# Altium PCB PASTE.PcbDoc (part 6 of 7)
Units mil, origin at the board's own origin, x right, y up, seen from the top; angles counter-clockwise.
Board outline 16220 x 11870 mil, 2 copper layers (Top Layer, Bottom Layer); 340 components, 0 nets, 1500 pads, 1280 vias.
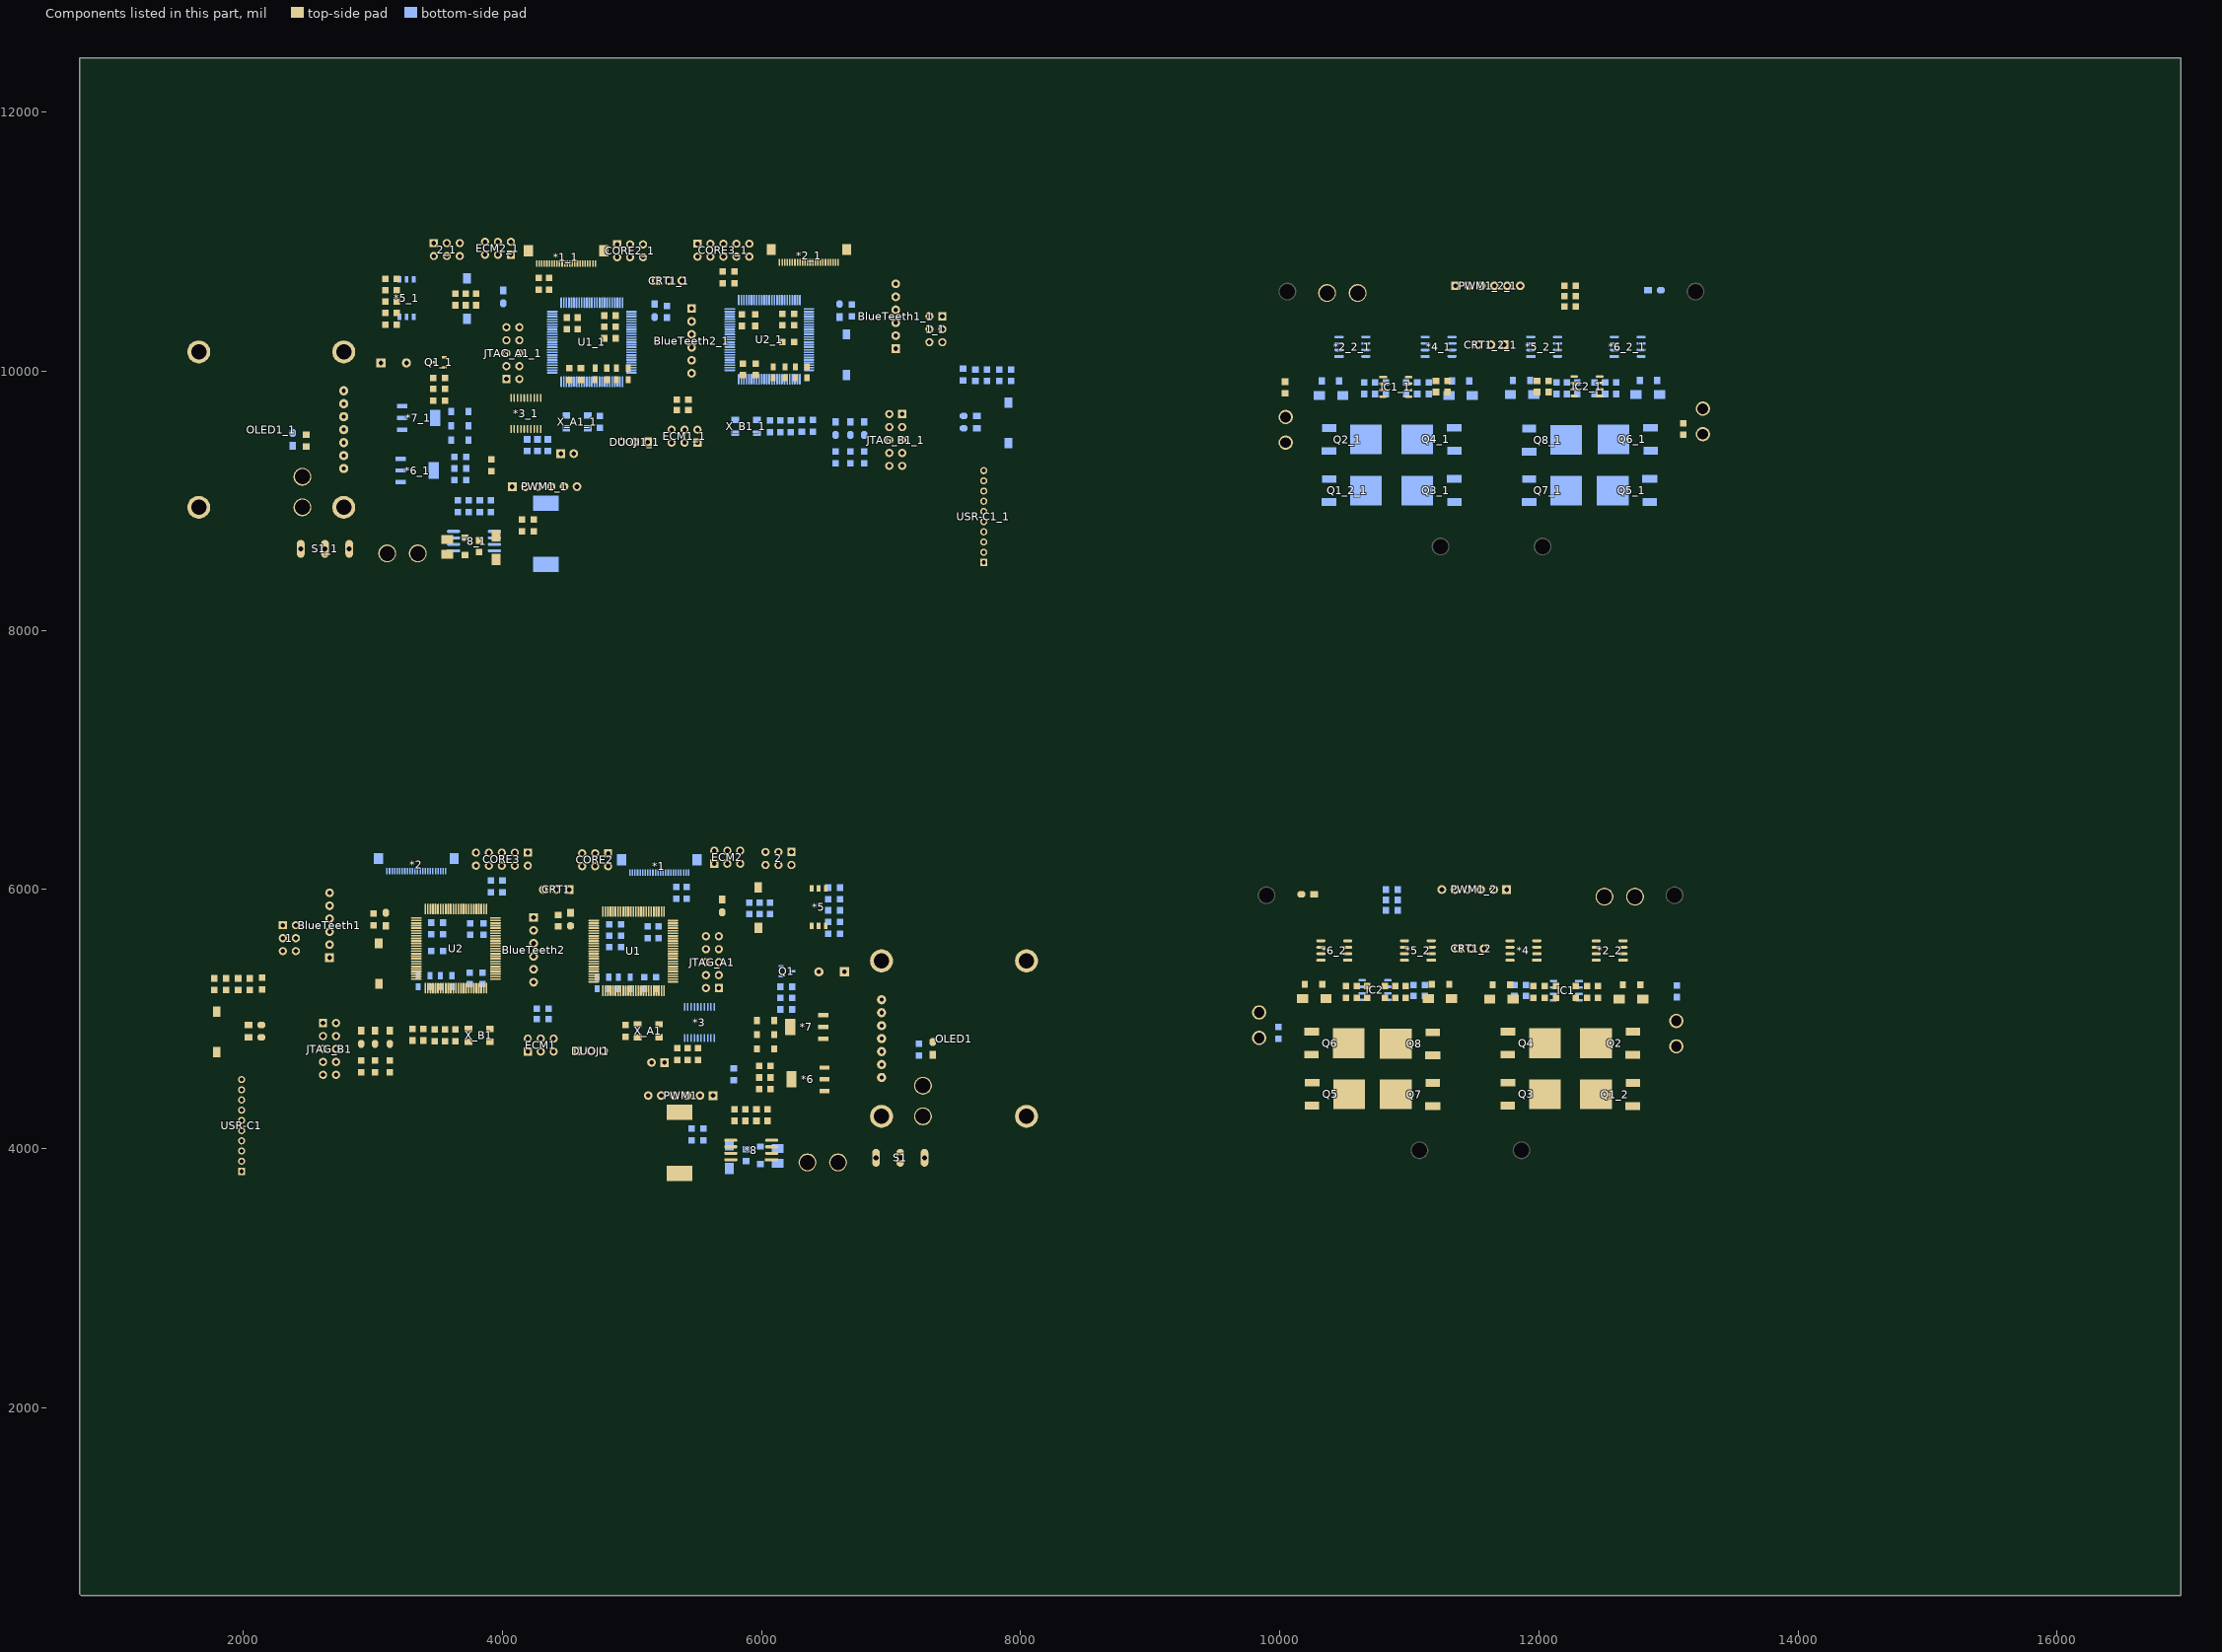
[diagram p6: the components of this part, seen from the top]

## Via types
v1: diameter 20, hole 15, Top Layer to Bottom Layer, tented both sides, 836 vias
v2: diameter 20, hole 10, Top Layer to Bottom Layer, tented both sides, 412 vias
v3: diameter 30, hole 20, Top Layer to Bottom Layer, tented both sides, 22 vias
v4: diameter 177.17, hole 157.48, Top Layer to Bottom Layer, tented both sides, 6 vias
v5: diameter 40, hole 30, Top Layer to Bottom Layer, tented both sides, 4 vias

## Nets (pads, with @x,y where several pads share a name; then routed paths per layer and width w, separated by ;. In a path a pad name is that pad's centre, name@x,y a point inside that pad or via, vN(x,y) a via of type N, cw(c..) or ccw(c..) an arc to the next point about the centre after c; other vN are vias at no path point) (continued)
copper on no net: (continued)
  Bottom Layer w10: 4973.34,10868.34 cw(c4945.18,10840.18) 4985,10840.18 cw(c5024.82,10840.18) 4996.66,10868.34 ; 4985,5235 5026.06,5276.06 5061.06,5276.06 v2(5065,5280) 5065,5295 ; 4985,5247.5 ccw(c4985,5277.68) 5006.34,5256.34 ; 4985,5257.5 ccw(c4985,5311.82) 5023.41,5273.41 ; 4985,5325 5015,5295 v2(5045,5295) 5045,5350 v2(5005,5390) ; 4985,10880 4985,10665.75 4890.49,10571.24 ; 4985,10980 4985,10937.18 ; v2(4990,5895) 4990,6020 5022.99,6052.99 5022.99,6131.69 ; 4994.99,10028.15 5048.15,10028.15 v2(5050,10030) ; 4994.99,10047.83 4991.13,10051.69 4953.99,10051.69 ; 4994.99,10225 5095,10225 v3(5360,9960) ; 4994.99,10362.8 4996.72,10361.06 5068.94,10361.06 v2(5069.11,10360.89) ; 4994.99,10382.48 5047.52,10382.48 v2(5050,10380) ; 4994.99,10441.54 5056.54,10441.54 5085,10470 5085,10500 5285,10700 ; 4994.99,10461.22 5185,10651.23 ; 4996.82,10956.29 ccw(c5006.35,10937.18) 4985,10937.18 ; 5000,5242.5 cw(c5018.11,5242.5) 5005.3,5255.3 ; 5001.33,10461.22 cw(c5016.63,10461.22) 5005.81,10472.04 ; v2@5006.46,5918.54 ccw(c4997.93,5927.07) 5010,5927.07 ccw(c5022.07,5927.07) v2@5013.54,5918.54 ; 5009.39,5134.39 ccw(c4983.79,5160) v2@5020,5160 ; v2(5010,5915) 5010,6015 5042.68,6047.68 5042.68,6131.69 ; 5011.33,10461.22 cw(c5050.78,10461.22) 5022.88,10489.11 ; 5021.33,10461.22 cw(c5084.92,10461.22) 5039.95,10506.18 ; 5023.43,5645 cw(c5023.43,5528.43) 5105.86,5610.86 ; v2@5026.46,5898.54 ccw(c5017.93,5907.07) 5030,5907.07 ccw(c5042.07,5907.07) v2@5033.54,5898.54 ; v2(5030,5895) 5030,6005 5101.73,6076.73 5101.73,6131.69 ; 5030.78,10364.13 ccw(c5038.19,10371.54) 5038.19,10361.06 ; 5031.33,10461.22 cw(c5119.06,10461.22) 5057.03,10523.25 ; 5031.94,10382.48 cw(c5031.94,10361.94) v2@5046.46,10376.46 ; 5033.46,10028.15 ccw(c5033.46,10046.54) v2@5046.46,10033.54 ; v2@5041.46,5291.46 ccw(c5032.93,5282.93) 5032.93,5295 ccw(c5032.93,5307.07) 5041.46,5298.54 ccw(c5032.93,5307.07) 5045,5307.07 ccw(c5057.07,5307.07) v2@5048.54,5298.54 ; v2@5046.46,5918.54 ccw(c5037.93,5927.07) 5050,5927.07 ccw(c5062.07,5927.07) v2@5053.54,5918.54 ; 5047.57,5645 cw(c5047.57,5552.57) 5112.93,5617.93 ; v2(5050,5160) 5095,5205 5095,5235 5185,5235 5185,5260 v2(5200,5275) ; v2(5050,5915) 5050,5995 5121.42,6066.42 5121.42,6131.69 ; v2@5056.46,6186.46 cw(c5047.93,6177.93) 5060,6177.93 cw(c5072.07,6177.93) v2@5063.54,6186.46 ; 5056.62,10361.06 cw(c5056.62,10348.4) v2@5065.57,10357.35 ; 5057.46,10361.06 ccw(c5057.46,10372.54) v2@5065.57,10364.43 ; 5060,6159.27 ccw(c5070.25,6159.27) 5063,6152.02 ; v2(5060,6190) 5060,6134.06 5062.36,6131.69 ; v2@5060.08,9980.91 ccw(c5029.64,9986.57) 5051.54,10008.46 ; v2@5061.46,5283.54 ccw(c5052.93,5292.07) 5065,5292.07 ccw(c5077.07,5292.07) v2@5068.54,5283.54 ; v2@5061.46,9983.54 ccw(c5052.93,9992.07) 5065,9992.07 ccw(c5077.07,9992.07) v2@5068.54,9983.54 ; 5064.97,9995.03 cw(c5052.3,9982.36) v2@5069.92,9979.09 ; v2(5065,9980) 5065,9995 5051.54,10008.46 ; 5066.26,10861.26 cw(c5021.03,10816.03) 5085,10816.03 cw(c5148.97,10816.03) 5103.74,10861.26 ; v2@5066.46,5898.54 ccw(c5057.93,5907.07) 5070,5907.07 ccw(c5082.07,5907.07) v2@5073.54,5898.54 ; v2(5070,5895) 5070,5985 5141.1,6056.1 5141.1,6131.69 ; v2@5071.46,6088.54 ccw(c5045.92,6114.08) 5082.05,6114.08 ; 5071.72,5645 cw(c5071.72,5576.72) 5120,5625 ; 5073.18,10956.29 cw(c5063.65,10937.18) 5085,10937.18 ; 5073.34,10868.34 cw(c5045.18,10840.18) 5085,10840.18 cw(c5124.82,10840.18) 5096.66,10868.34 ; v2(5075,6085) 5082.05,6092.05 5082.05,6131.69 ; 5075.09,5323.09 cw(c5040.26,5319.75) 5065,5295 ; 5077.93,5142.93 ccw(c5060.86,5160) v2@5085,5160 ; v2@5081.46,4968.54 ccw(c5072.93,4977.07) 5085,4977.07 ccw(c5097.07,4977.07) v2@5088.54,4968.54 ; v2(5085,4965) 5085,5073.22 5076.06,5082.16 5076.06,5119.28 5185,5228.22 ; 5085,10980 5085,10937.18 ; v2@5086.46,5918.54 ccw(c5077.93,5927.07) 5090,5927.07 ccw(c5102.07,5927.07) v2@5093.54,5918.54 ; v2(5090,5915) 5090,5975 5160.79,6045.79 5160.79,6131.69 ; 5093.09,5305.09 ccw(c5089.75,5270.26) 5065,5295 ; 5093.68,5203.68 ccw(c5065.84,5231.52) 5104.93,5236.19 ; v2(5095,5090) v2(5355,5090) ; 5095.86,5645 cw(c5095.86,5600.86) 5127.07,5632.07 ; 5096.82,10956.29 ccw(c5106.35,10937.18) 5085,10937.18 ; v2@5098.54,5086.46 cw(c5107.07,5077.93) 5107.07,5090 cw(c5107.07,5102.07) v2@5098.54,5093.54 ; v2@5106.46,5898.54 ccw(c5097.93,5907.07) 5110,5907.07 ccw(c5122.07,5907.07) v2@5113.54,5898.54 ; 5109.14,5310.86 cw(c5143.28,5276.72) 5143.28,5325 cw(c5143.28,5373.28) 5109.14,5339.14 ; v2(5110,5895) 5110,5965 5180.47,6035.47 5180.47,6131.69 ; 5112.31,5643.46 ccw(c5107.5,5655) 5120,5655 ; v2(5115,5070) v2(5335,5070) ; v2(5115,5110) 5115,5105 5120,5110 v2(5335,5110) ; v2@5118.54,5066.46 cw(c5127.07,5057.93) 5127.07,5070 cw(c5127.07,5082.07) v2@5118.54,5073.54 ; v2@5118.54,5106.46 cw(c5127.07,5097.93) 5127.07,5110 cw(c5127.07,5122.07) v2@5118.54,5113.54 ; 5123.01,5658.01 ccw(c5141.33,5639.7) 5120,5625 ; v2@5126.46,5918.54 ccw(c5117.93,5927.07) 5130,5927.07 ccw(c5142.07,5927.07) v2@5133.54,5918.54 ; 5127.52,5659.6 cw(c5147.17,5648.26) 5141.29,5670.17 ccw(c5144.42,5658.51) 5133.96,5664.55 ccw(c5123.51,5670.58) v2@5135.17,5673.71 ; 5127.69,5643.46 cw(c5132.5,5655) 5120,5655 ; 5128.23,5630.67 cw(c5151.39,5646.63) 5131.51,5666.51 ; v2(5130,5915) 5130,5955 5200.16,6025.16 5200.16,6131.69 ; 5134.14,5610.86 cw(c5168.28,5576.72) 5168.28,5625 cw(c5168.28,5673.28) 5134.14,5639.14 ; v2@5135,5675 cw(c5122.93,5675) 5131.46,5666.46 cw(c5140,5657.93) v2@5140,5670 ; 5136.47,5636.35 cw(c5161.44,5653.55) v2(5140,5675) 5120,5655 ; v2@5146.46,5898.54 ccw(c5137.93,5907.07) 5150,5907.07 ccw(c5162.07,5907.07) v2@5153.54,5898.54 ; v2(5150,5895) 5150,5945 5219.84,6014.84 5219.84,6131.69 ; 5163.13,5206.35 ccw(c5134.49,5235) 5175,5235 ; v2@5166.46,5918.54 ccw(c5157.93,5927.07) 5170,5927.07 ccw(c5182.07,5927.07) v2@5173.54,5918.54 ; v2(5170,5915) 5170,5940 5239.53,6009.53 5239.53,6131.69 ; 5170.86,5310.86 ccw(c5136.72,5276.72) 5136.72,5325 ccw(c5136.72,5373.28) 5170.86,5339.14 ; 5171,10675.22 cw(c5157.45,10651.23) 5185,10651.23 ; 5175,10420 5265,10420 5270,10415 ; 5185,5305 cw(c5185,5256.72) 5219.14,5290.86 cw(c5253.28,5325) 5205,5325 ; 5185,10700 5185,10651.23 ; 5189.14,10405.86 cw(c5223.28,10371.72) 5223.28,10420 cw(c5223.28,10468.28) 5189.14,10434.14 ; 5190.86,5639.14 cw(c5156.72,5673.28) 5156.72,5625 cw(c5156.72,5576.72) 5190.86,5610.86 cw(c5156.72,5576.72) 5205,5576.72 cw(c5253.28,5576.72) 5219.14,5610.86 ; 5199,10675.22 ccw(c5212.55,10651.23) 5185,10651.23 ; 5205,5507.07 ccw(c5227.07,5507.07) v2@5211.46,5491.46 ; 5205,5531.21 ccw(c5251.21,5531.21) v2@5218.54,5498.54 ; 5205,5687.64 5238.94,5653.7 5238.94,5516.06 v2(5240,5515) ; 5209.64,10420 cw(c5209.64,10354.64) 5255.86,10400.86 ; 5214.73,5677.91 cw(c5241.61,5704.78) 5205,5715 5120,5715 ; v2@5215,5490 cw(c5215,5477.93) 5223.54,5486.46 cw(c5232.07,5495) v2@5220,5495 ; 5225,4410 5455.87,4640.87 5455.87,4855 ; 5225,4428.46 ccw(c5225,4473.04) 5256.52,4441.52 ccw(c5288.04,4410) 5243.46,4410 ; 5225,4438.46 ccw(c5225,4507.18) 5273.59,4458.59 ccw(c5322.18,4410) 5253.46,4410 ; v2@5225,5280 ccw(c5212.93,5280) 5221.46,5288.54 ccw(c5230,5297.07) v2@5230,5285 ; v2@5226.46,5276.46 cw(c5217.93,5267.93) 5230,5267.93 cw(c5242.07,5267.93) v2@5233.54,5276.46 ; v2@5226.46,5283.54 ccw(c5217.93,5292.07) 5230,5292.07 ccw(c5242.07,5292.07) v2@5233.54,5283.54 ; 5238.94,5529.64 ccw(c5254.64,5529.64) v2@5243.54,5518.54 ; 5248.94,5310.36 cw(c5264.64,5310.36) v2@5253.54,5321.46 ; v2@5250,5885 cw(c5250,5872.93) 5258.54,5881.46 cw(c5267.07,5890) v2@5255,5890 ; v2(5250,5890) 5273.94,5866.06 5273.94,5678.36 5272.13,5676.55 5272.13,5302.87 5430.28,5144.72 5430.28,5095.16 ; 5254.56,10492.29 ccw(c5227.64,10470.14) 5227.64,10505 ; 5254.56,10517.71 cw(c5227.64,10539.86) 5227.64,10505 ; v2(5255,5765) 5170,5765 5120,5715 ; v2(5255,5980) 5300,5980 5340,6020 5340,6129.65 5337.95,6131.69 ; 5255.86,10429.14 cw(c5233.79,10451.21) 5233.79,10420 cw(c5233.79,10378.79) 5262.93,10407.93 ; 5255.86,10519.14 ccw(c5221.72,10553.28) 5270,10553.28 ccw(c5318.28,10553.28) 5284.14,10519.14 ; 5256.54,10700 cw(c5187.82,10700) 5236.41,10651.41 cw(c5285,10602.82) 5285,10671.54 ; v2@5258.54,5976.46 cw(c5267.07,5967.93) 5267.07,5980 cw(c5267.07,5992.07) v2@5258.54,5983.54 ; v2@5265,5150 ccw(c5252.93,5150) 5261.46,5158.54 ccw(c5270,5167.07) v2@5270,5155 ; 5266.54,10700 cw(c5221.96,10700) 5253.48,10668.48 cw(c5285,10636.96) 5285,10681.54 ; v2(5270,5150) 5230,5190 v2(5230,5280) ; 5270,10485 cw(c5270,10436.72) 5304.14,10470.86 cw(c5338.28,10505) 5290,10505 ; v2(5275,5960) 5280,5965 5365,5965 5420,6020 5420,6064.57 ; v2@5278.54,5956.46 cw(c5299.14,5935.86) 5299.14,5965 ; 5320,6020 cw(c5271.72,6020) 5305.86,5985.86 cw(c5340,5951.72) 5340,6000 ; 5325,4410 5507.05,4592.05 5507.05,4855 ; 5325,4428.46 ccw(c5325,4473.04) 5356.52,4441.52 ccw(c5388.04,4410) 5343.46,4410 ; 5325,4438.46 ccw(c5325,4507.18) 5373.59,4458.59 ccw(c5422.18,4410) 5353.46,4410 ; v2@5325,5180 cw(c5325,5167.93) 5333.54,5176.46 cw(c5342.07,5185) v2@5330,5185 ; v2(5325,5185) 5404.69,5105.31 5404.69,5095.16 5415.34,5084.5 5415.34,5064.97 5424.09,5056.22 5436.46,5056.22 5445.21,5064.97 5445.21,5084.5 5455.87,5095.16 5466.52,5084.5 5466.52,5064.97 5475.27,5056.22 5487.64,5056.22 5496.39,5064.97 5496.39,5084.5 5507.05,5095.16 5517.7,5084.5 5517.7,5064.97 5526.45,5056.22 5538.83,5056.22 5547.57,5064.97 5547.57,5084.5 5558.23,5095.16 5568.88,5084.5 5568.88,5064.97 5577.63,5056.22 5590.01,5056.22 5598.76,5064.97 5598.76,5084.5 5609.41,5095.16 5620.06,5084.5 5620.06,5064.97 5635,5050.03 5635,4955 ; 5325.86,6034.14 ccw(c5291.72,6068.28) 5340,6068.28 ccw(c5388.28,6068.28) 5354.14,6034.14 ; v2@5331.46,5066.46 ccw(c5322.93,5057.93) 5322.93,5070 ccw(c5322.93,5082.07) v2@5331.46,5073.54 ; v2@5331.46,5106.46 ccw(c5322.93,5097.93) 5322.93,5110 ccw(c5322.93,5122.07) v2@5331.46,5113.54 ; 5337.31,6111.37 cw(c5330.82,6104.88) 5340,6104.88 ; 5340,5910 cw(c5340,5861.72) 5374.14,5895.86 cw(c5408.28,5930) 5360,5930 ; v2(5345,4830) 5405.28,4830 ; v2@5348.54,4826.46 cw(c5357.07,4817.93) 5357.07,4830 cw(c5357.07,4842.07) v2@5348.54,4833.54 ; v2@5351.46,5086.46 ccw(c5342.93,5077.93) 5342.93,5090 ccw(c5342.93,5102.07) v2@5351.46,5093.54 ; 5354.14,5915.86 cw(c5388.28,5881.72) 5388.28,5930 cw(c5388.28,5978.28) 5354.14,5944.14 ; 5356.54,10700 cw(c5287.82,10700) 5336.41,10651.41 cw(c5385,10602.82) 5385,10671.54 ; 5366.54,10700 cw(c5321.96,10700) 5353.48,10668.48 cw(c5385,10636.96) 5385,10681.54 ; v2@5371.46,5446.46 cw(c5348.29,5423.29) 5381.06,5423.29 ; v2@5371.46,5536.46 ccw(c5362.93,5527.93) 5362.93,5540 ccw(c5362.93,5552.07) v2@5371.46,5543.54 ; v2@5371.46,5676.46 ccw(c5362.93,5667.93) 5362.93,5680 ccw(c5362.93,5692.07) v2@5371.46,5683.54 ; v2@5371.46,5716.46 ccw(c5362.93,5707.93) 5362.93,5720 ccw(c5362.93,5732.07) v2@5371.46,5723.54 ; v2(5375,5450) 5381.06,5443.94 5381.06,5314.52 5407.65,5287.94 5407.65,5287.65 5540.29,5155 5925,5155 6330,4750 6925.55,4750 ; v2@5375,5495 cw(c5375,5482.93) 5383.54,5491.46 cw(c5392.07,5500) v2@5380,5500 ; v2(5375,5500) 5395,5480 5395,5320.29 5540.29,5175 5940,5175 6265,4850 6925.55,4850 ; v2(5375,5540) 5350,5540 5335,5555 5335,5598.94 5361.06,5625 5497.82,5625 5553.25,5680.43 5824.57,5680.43 5906.06,5598.94 6606.06,5598.94 6715,5490 6715,5260.55 6925.55,5050 ; v2(5375,5580) 5394.57,5599.57 5870.43,5599.57 6119.61,5350.39 6173.39,5350.39 6235,5288.78 ; v2@5375,5585 ccw(c5375,5597.07) 5383.54,5588.54 ccw(c5392.07,5580) v2@5380,5580 ; v2(5375,5645) 5410,5645 5603.94,5838.94 5843.94,5838.94 5905,5900 ; v2(5375,5680) 5335,5680 5315,5660 5315,5340 5506.97,5148.03 5519.01,5148.03 5527.04,5140 5558.51,5140 5583.82,5114.69 5583.82,5095.16 ; v2(5375,5720) 5335.29,5720 5286.06,5670.77 5286.06,5318.94 5481.46,5123.54 5481.46,5095.16 ; 5376.82,6111.26 cw(c5370.13,6101.25) 5382.17,6101.25 ; 5377.32,6131.69 5382.17,6126.85 5382.17,6102.4 ; v2@5378.54,5641.46 cw(c5387.07,5632.93) 5387.07,5645 cw(c5387.07,5657.07) v2@5378.54,5648.54 ; 5379.35,5130.65 ccw(c5404.69,5155.99) 5404.69,5120.16 ; 5382.24,6102.33 cw(c5391.92,6112.01) 5378.23,6112.01 ccw(c5391.67,6111.91) 5382.16,6102.4 ; 5385.36,5701.06 cw(c5385.36,5685.36) v2@5396.46,5696.46 ; 5390.19,10384.81 cw(c5290.39,10285) 5431.54,10285 ; v2@5395,5700 v2(5400,5700) 5398.94,5701.06 5336.06,5701.06 5300,5665 5300,5330 5495.91,5134.09 5513.23,5134.09 5521.98,5125.34 5521.98,5113.31 5532.64,5102.65 5532.64,5095.16 ; 5396.42,5113.58 ccw(c5404.69,5121.85) 5404.69,5110.16 ; v2@5396.46,5521.46 cw(c5363.79,5488.79) 5410,5488.79 ; v2@5396.46,5743.54 ccw(c5387.93,5752.07) 5400,5752.07 ccw(c5412.07,5752.07) v2@5403.54,5743.54 ; 5398.06,10686.94 cw(c5429.58,10655.42) 5429.58,10700 cw(c5429.58,10744.58) 5398.06,10713.06 ; v2(5400,5525) 5410,5515 5410,5325 5540,5195 5950,5195 6195,4950 6925.55,4950 ; v2(5400,5740) 5400,5870 5340,5930 5420,5930 5635,6145 ; 5400,6020 cw(c5351.72,6020) 5385.86,5985.86 cw(c5420,5951.72) 5420,6000 ; v2@5403.54,5528.54 cw(c5387.93,5512.93) 5410,5512.93 ; 5404.43,5094.19 cw(c5400.77,5080.09) 5415.34,5080.09 ; 5405.13,10679.87 cw(c5453.72,10631.28) 5453.72,10700 cw(c5453.72,10768.72) 5405.13,10720.13 ; 5405.18,5080.14 cw(c5404.59,5069.41) 5415.34,5069.41 ; 5405.74,5090.13 cw(c5405.18,5079.98) 5415.34,5079.98 ; 5405.86,5915.86 ccw(c5371.72,5881.72) 5371.72,5930 ccw(c5371.72,5978.28) 5405.86,5944.14 ; 5406.71,6034.94 ccw(c5380.35,6064.56) 5420,6064.56 ; 5407.27,10367.73 cw(c5324.53,10285) 5441.54,10285 ; 5420,5950 ccw(c5420,5998.28) 5454.14,5964.14 ccw(c5488.28,5930) 5440,5930 ; 5424.34,10350.66 cw(c5358.67,10285) 5451.54,10285 ; 5425,4410 5558.23,4543.23 5558.23,4855 ; 5425,4428.46 ccw(c5425,4473.04) 5456.52,4441.52 ccw(c5488.04,4410) 5443.46,4410 ; 5425,4438.46 ccw(c5425,4507.18) 5473.59,4458.59 ccw(c5522.18,4410) 5453.46,4410 ; v2@5426.46,5421.46 cw(c5417.93,5412.93) 5430,5412.93 cw(c5442.07,5412.93) v2@5433.54,5421.46 ; 5429.59,4830.28 ccw(c5417.57,4817.7) 5405.28,4830 ; v2(5430,5425) 5430,5330 5470,5290 5920.04,5290 5922.44,5287.6 6022.4,5287.6 6145,5165 6235,5075 ; 5431.49,4870.08 ccw(c5430.02,4880.89) 5440.93,4880.89 ; 5431.54,10085 cw(c5362.82,10085) 5411.41,10036.41 cw(c5460,9987.82) 5460,10056.54 ; 5432.84,4860.17 ccw(c5431.58,4869.44) 5440.93,4869.44 ; 5433.29,6034.94 cw(c5459.65,6064.56) 5420,6064.56 ; 5441.41,10333.59 cw(c5392.82,10285) 5461.54,10285 ; 5441.54,10085 cw(c5396.96,10085) 5428.48,10053.48 cw(c5460,10021.96) 5460,10066.54 ; 5445.21,5069.41 cw(c5455.96,5069.41) 5455.37,5080.14 ; 5445.21,5079.98 cw(c5455.38,5079.98) 5454.81,5090.13 ; 5445.21,5080.09 cw(c5459.78,5080.09) 5456.12,5094.19 ; 5450.67,10158.11 cw(c5446.13,10145) 5460,10145 ; 5455.61,5094.19 cw(c5451.95,5080.09) 5466.52,5080.09 ; 5456.37,5080.14 cw(c5455.77,5069.41) 5466.52,5069.41 ; 5456.92,5090.13 cw(c5456.36,5079.98) 5466.52,5079.98 ; 5460,10185 5460,10145 ; 5460,10285 5460,10315 5270,10505 ; 5469.33,10158.11 ccw(c5473.87,10145) 5460,10145 ; 5470.8,4869.44 ccw(c5480.16,4869.44) 5478.9,4860.17 ; 5470.8,4880.89 ccw(c5481.71,4880.89) 5480.24,4870.08 ; 5476.65,5128.35 cw(c5467.45,5119.16) 5480.46,5119.16 ; v2@5481.46,9661.46 ccw(c5472.93,9652.93) 5472.93,9665 ccw(c5472.93,9677.07) v2@5481.46,9668.54 ; 5482.67,4870.08 ccw(c5481.2,4880.89) 5492.11,4880.89 ; 5484.02,4860.17 ccw(c5482.76,4869.44) 5492.11,4869.44 ; v2(5485,5355) 5527.82,5355 5553.25,5380.43 5995.43,5380.43 v2(6000,5385) ; v2(5485,5395) 5488.94,5398.94 5512.84,5398.94 5513.39,5398.39 5529.57,5414.57 5529.57,5456.75 5553.25,5480.43 5904.57,5480.43 v2(5905,5480) ; v2(5485,5435) 5501.69,5451.69 5501.69,5528.87 5553.25,5580.43 5844.57,5580.43 v2(5845,5580) ; v2@5485,5440 ccw(c5485,5452.07) 5493.54,5443.54 ccw(c5502.07,5435) v2@5490,5435 ; v2(5485,9665) 4822.64,9665 4778.7,9621.06 4465.15,9621.06 4400,9686.21 4400,9801.78 4242.77,9959.02 4191.27,9959.02 4150.72,9999.57 4113.25,9999.57 4089.57,10023.25 4089.57,10056.75 4113.25,10080.43 4127.61,10080.43 4170.43,10123.25 ; v2@5488.54,5351.46 cw(c5497.07,5342.93) 5497.07,5355 cw(c5497.07,5367.07) v2@5488.54,5358.54 ; 5496.39,5069.41 cw(c5507.14,5069.41) 5506.55,5080.14 ; 5496.39,5079.98 cw(c5506.56,5079.98) 5505.99,5090.13 ; 5496.39,5080.09 cw(c5510.96,5080.09) 5507.3,5094.19 ; v2(5505,5380) 5533.11,5380 5547.48,5394.37 5969.37,5394.37 v2(5975,5400) ; v2(5505,5420) 5515.63,5430.63 5515.63,5462.52 5552.68,5499.57 5924.57,5499.57 v2(5925,5500) ; v2@5505,5425 ccw(c5505,5437.07) 5513.54,5428.54 ccw(c5522.07,5420) v2@5510,5420 ; 5505,9450 5722,9450 5797,9525 ; 5505,9550 5512.56,9557.56 5885.56,9557.56 5963,9635 ; 5506.8,5094.19 cw(c5503.13,5080.09) 5517.7,5080.09 ; 5507.55,5080.14 cw(c5506.95,5069.41) 5517.7,5069.41 ; 5508.1,5090.13 cw(c5507.54,5079.98) 5517.7,5079.98 ; v2@5508.54,5376.46 cw(c5517.07,5367.93) 5517.07,5380 cw(c5517.07,5392.07) v2@5508.54,5383.54 ; 5509.59,9545.41 cw(c5538.93,9516.07) 5538.93,9557.56 ; 5516.66,9438.34 cw(c5544.82,9410.18) 5544.82,9450 cw(c5544.82,9489.82) 5516.66,9461.66 ; 5516.66,9538.34 cw(c5563.07,9491.93) 5563.07,9557.56 ; 5521.98,4869.44 ccw(c5531.34,4869.44) 5530.08,4860.17 ; 5521.98,4880.89 ccw(c5532.9,4880.89) 5531.43,4870.08 ; 5523.74,9431.26 cw(c5568.97,9386.03) 5568.97,9450 cw(c5568.97,9513.97) 5523.74,9468.74 ; 5523.74,9531.26 cw(c5587.22,9467.78) 5587.22,9557.56 ; 5523.74,9568.74 ccw(c5550.72,9595.72) 5550.72,9557.56 ; 5525,4410 5609.41,4494.41 5609.41,4855 ; 5525,4428.46 ccw(c5525,4473.04) 5556.52,4441.52 ccw(c5588.04,4410) 5543.46,4410 ; 5525,4438.46 ccw(c5525,4507.18) 5573.59,4458.59 ccw(c5622.18,4410) 5553.46,4410 ; 5533.85,4870.08 ccw(c5532.38,4880.89) 5543.29,4880.89 ; 5535.2,4860.17 ccw(c5533.94,4869.44) 5543.29,4869.44 ; v2@5546.46,10251.46 cw(c5537.93,10242.93) 5550,10242.93 cw(c5562.07,10242.93) v2@5553.54,10251.46 ; 5547.57,5069.41 cw(c5558.33,5069.41) 5557.73,5080.14 ; 5547.57,5079.98 cw(c5557.74,5079.98) 5557.17,5090.13 ; 5547.57,5080.09 cw(c5562.14,5080.09) 5558.48,5094.19 ; 5557.98,5094.19 cw(c5554.32,5080.09) 5568.88,5080.09 ; 5558.73,5080.14 cw(c5558.13,5069.41) 5568.88,5069.41 ; 5559.28,5090.13 cw(c5558.72,5079.98) 5568.88,5079.98 ; v2@5566.46,10271.46 cw(c5557.93,10262.93) 5570,10262.93 cw(c5582.07,10262.93) v2@5573.54,10271.46 ; v2(5570,10275) 5570,9830 5463.94,9723.94 4565,9723.94 4540,9748.94 4540,9870.61 4548.13,9878.73 ; 5573.16,4869.44 ccw(c5582.52,4869.44) 5581.26,4860.17 ; 5573.16,4880.89 ccw(c5584.08,4880.89) 5582.61,4870.08 ; 5574.49,5124.02 ccw(c5583.82,5133.36) 5583.82,5120.16 ; 5585.03,4870.08 ccw(c5583.56,4880.89) 5594.47,4880.89 ; 5586.38,4860.17 ccw(c5585.12,4869.44) 5594.47,4869.44 ; v2@5596.46,10378.54 ccw(c5587.93,10387.07) 5600,10387.07 ccw(c5612.07,10387.07) v2@5603.54,10378.54 ; 5598.76,5069.41 cw(c5609.51,5069.41) 5608.91,5080.14 ; 5598.76,5079.98 cw(c5608.92,5079.98) 5608.35,5090.13 ; 5598.76,5080.09 cw(c5613.32,5080.09) 5609.66,5094.19 ; v2(5600,10340) 5620,10360 5620,10700 5805,10885 ; v2@5600,10345 ccw(c5600,10357.07) 5608.54,10348.54 ccw(c5617.07,10340) v2@5605,10340 ; v2(5600,10375) 5600,10710 5745.43,10855.43 5745.43,10925.43 5805,10985 ; 5609.16,5094.19 cw(c5605.5,5080.09) 5620.06,5080.09 ; 5609.91,5080.14 cw(c5609.31,5069.41) 5620.06,5069.41 ; 5610.46,5090.13 cw(c5609.9,5079.98) 5620.06,5079.98 ; 5618.49,6179.28 cw(c5591.17,6145) 5635,6145 ; 5624.35,4869.44 ccw(c5633.7,4869.44) 5632.44,4860.17 ; 5624.35,4880.89 ccw(c5635.26,4880.89) 5633.79,4870.08 ; 5624.72,6187.1 cw(c5607.71,6165.76) 5635,6165.76 cw(c5662.29,6165.76) 5645.28,6187.1 ; 5625,4410 5665,4410 ; 5635,4855 5624.35,4865.65 5624.35,4885.19 5615.6,4893.94 5603.22,4893.94 5594.47,4885.19 5594.47,4865.65 5583.82,4855 5573.16,4865.65 5573.16,4885.19 5564.42,4893.94 5552.04,4893.94 5543.29,4885.19 5543.29,4865.65 5532.64,4855 5521.98,4865.65 5521.98,4885.19 5513.23,4893.94 5500.86,4893.94 5492.11,4885.19 5492.11,4865.65 5481.46,4855 5470.8,4865.65 5470.8,4885.19 5462.05,4893.94 5449.68,4893.94 5440.93,4885.19 5440.93,4865.65 5430.28,4855 5405.28,4830 ; 5635,5095.16 5669.84,5095.16 5832.5,4932.5 ; 5635,6200 5635,6145 ; 5635,6300 5635,6280.87 5675.43,6240.43 5675.43,6024.57 v2(5695,6005) ; v2(5640,10225) 5640.31,10225.32 5754.57,10225.32 ; v2(5640,10380) 5655,10395 v2(5655,10590) ; v2@5643.54,10221.46 cw(c5652.83,10212.17) 5652.83,10225.32 ; v2@5643.54,10228.54 ccw(c5651.31,10236.31) 5651.31,10225.32 